# EAGLE board AU_MacroPad with Encoder - 8 Panel (EAGLE 9.6.2), part 3 of 5
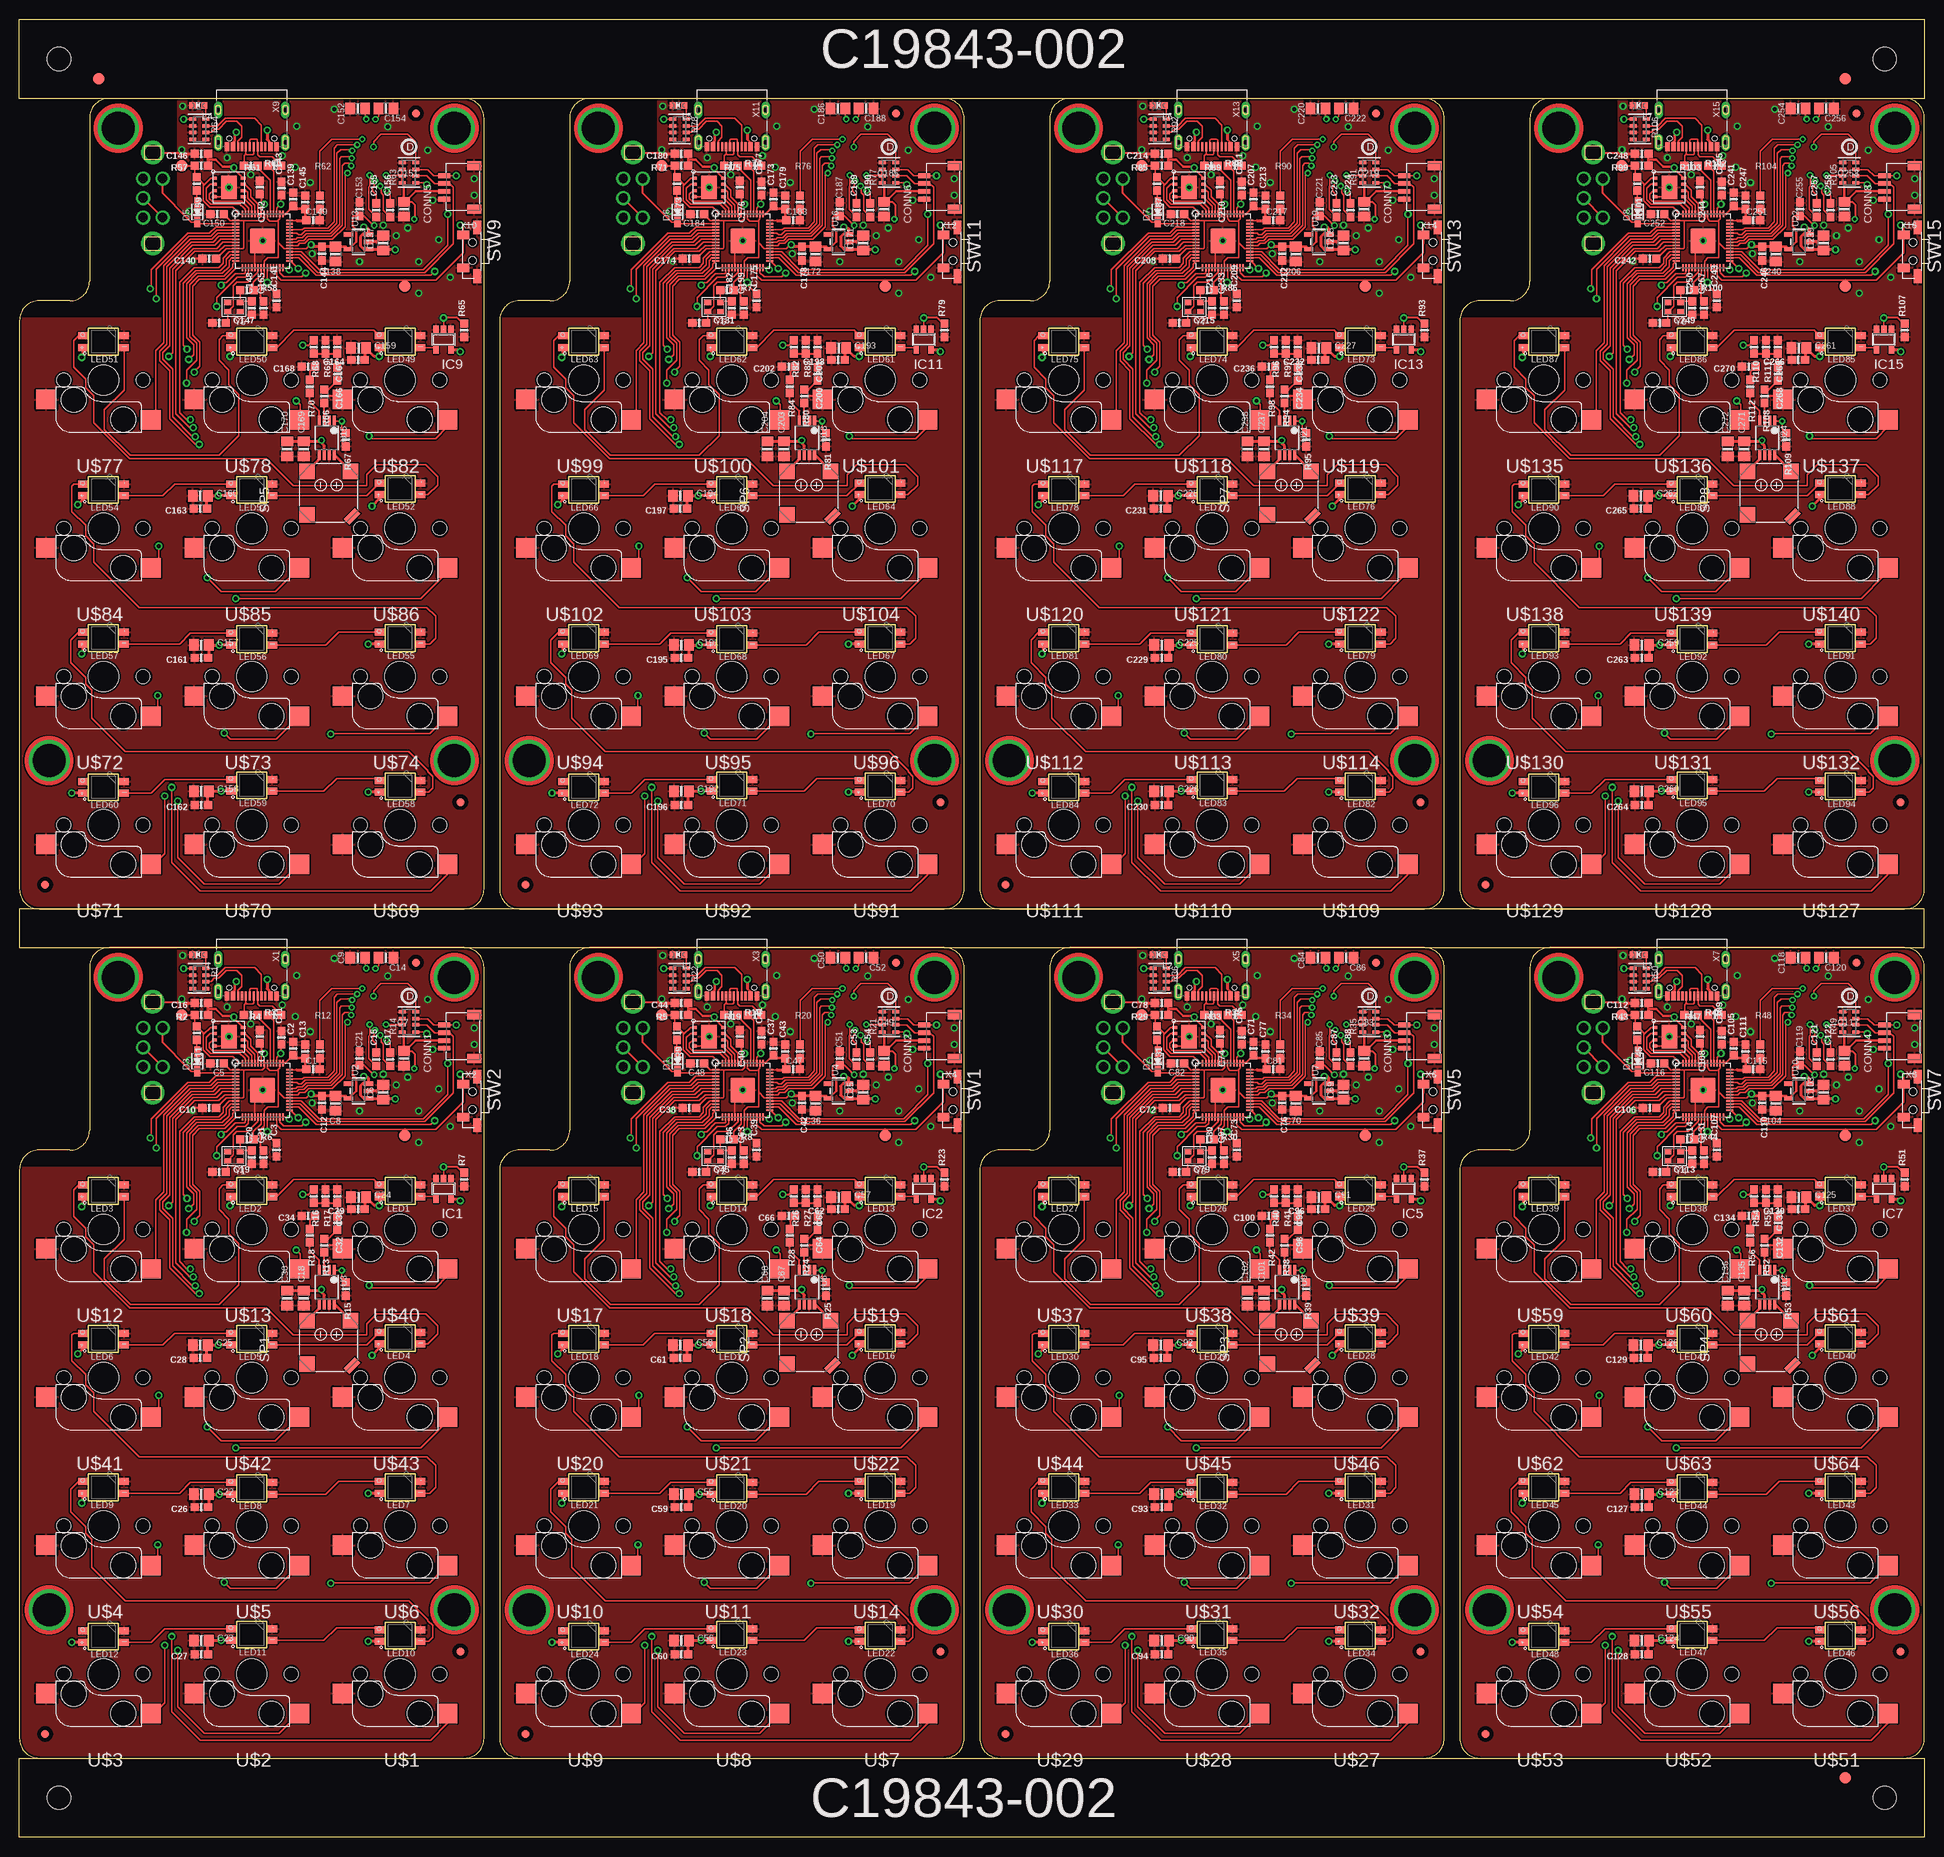
[diagram p0: board, top side]
## Tracks (layer width: path | path; a pad name or v marks a point on that pad's centre or on a via) (continued)
5.0V7  (via drill 0.48, 0.5) (continued)
  Top 0.305: X15.B4A9 212.51,217.83 212.71,218.02 212.71,218.92 | X15.A4B9 217.31,217.78 216.9,218.2
  Top 0.406: 212.71,218.92 v212.91,219.12 | v216.9,219.38 216.9,218.2 | LED87.1-VDD 193.21,190.31 v193.07,190.17 | LED86.1-VDD 212.26,190.44 v212.12,190.29 | LED85.1-VDD 231.31,190.31 v231.3,190.29 230.66,190.29 C261.2 229.42,191.21 C266.1 | LED88.1-VDD 231.31,172.03 v230.37,171.08 | LED89.1-VDD v210.61,172.4 | v210.61,172.4 v210.6,172.39 | LED90.1-VDD 193.21,171.9 v192.56,171.24 | LED93.1-VDD 193.21,152.21 v193.07,152.07 | LED92.1-VDD 210.74,153.22 v210.72,153.21 C259.2 209.39,151.66 C263.1 | LED91.1-VDD 229.91,153.35 v229.9,153.34 | LED94.1-VDD 229.91,134.3 v229.9,134.29 | LED95.1-VDD 212.25,134.41 v210.98,134.41 C260.2 209.29,134.31 C264.1 | LED96.1-VDD 191.81,134.17 v191.8,134.16 | v241.71,190.93 241.49,191.15 IC15.5 | v233.33,204.01 231.9,204.01 C239.1 231.64,204.08 U22.1 229.33,204.08 228.88,204.52 228.88,205.66 229.2,205.98 U22.3 229.93,206.65 229.69,206.89 v229.31,206.89 | v210.61,172.4 209.27,172.4 C262.2 209.16,172.29 C265.1 | U24.6 224.23,178.82 223.88,179.17 v223.88,179.51 223.73,179.36 C271.2 | C271.2 | C271.2 C272.2
  Bottom 0.406: v212.91,219.12 213.17,219.38 215.04,219.38 | 215.04,219.38 v216.9,219.38 | v233.33,204.01 233.96,204.01 233.96,194.48 | v229.31,206.89 225.97,206.89 215.04,217.81 215.04,219.38
  pour Bottom: 185.07,119.3 244.76,119.3 244.76,194.87 185.07,194.87
!RESET  (via drill 0.5)
  Top 0.203: R14.1 52.1,103.47 v52.32,103.25 | v56.64,98.04 57.01,97.67 SW2.2 57.01,94.48 53.47,90.93 49.53,90.93 33.66,90.93 33.04,91.55 IC3.26
  Top 0.406: TP5.P$1 49.53,90.93
  Bottom 0.203: v52.32,103.25 52.32,100.46 54.99,97.79 56.39,97.79 v56.64,98.04
!RESET1  (via drill 0.5)
  Top 0.203: R21.1 113.79,103.47 v114.01,103.25 | v118.33,98.04 118.7,97.67 SW1.2 118.7,94.48 115.16,90.93 111.22,90.93 95.34,90.93 94.73,91.55 IC4.26
  Top 0.406: TP10.P$1 111.22,90.93
  Bottom 0.203: v114.01,103.25 114.01,100.46 116.68,97.79 118.08,97.79 v118.33,98.04
!RESET2  (via drill 0.5)
  Top 0.203: R35.1 175.48,103.47 v175.7,103.25 | v180.02,98.04 180.39,97.67 SW5.2 180.39,94.48 176.85,90.93 172.91,90.93 157.04,90.93 156.42,91.55 IC6.26
  Top 0.406: TP16.P$1 172.91,90.93
  Bottom 0.203: v175.7,103.25 175.7,100.46 178.37,97.79 179.77,97.79 v180.02,98.04
!RESET3  (via drill 0.5)
  Top 0.203: R49.1 237.17,103.47 v237.39,103.25 | v241.71,98.04 242.08,97.67 SW7.2 242.08,94.48 238.54,90.93 234.6,90.93 218.72,90.93 218.11,91.55 IC8.26
  Top 0.406: TP22.P$1 234.6,90.93
  Bottom 0.203: v237.39,103.25 237.39,100.46 240.06,97.79 241.46,97.79 v241.71,98.04
!RESET4  (via drill 0.5)
  Top 0.203: R63.1 52.1,212.62 v52.32,212.39 | v56.64,207.19 57.01,206.81 SW9.2 57.01,203.62 53.47,200.07 49.53,200.07 33.66,200.07 33.04,200.69 IC10.26
  Top 0.406: TP28.P$1 49.53,200.07
  Bottom 0.203: v52.32,212.39 52.32,209.6 54.99,206.93 56.39,206.93 v56.64,207.19
!RESET5  (via drill 0.5)
  Top 0.203: R77.1 113.79,212.62 v114.01,212.39 | v118.33,207.19 118.7,206.81 SW11.2 118.7,203.62 115.16,200.07 111.22,200.07 95.34,200.07 94.73,200.69 IC12.26
  Top 0.406: TP34.P$1 111.22,200.07
  Bottom 0.203: v114.01,212.39 114.01,209.6 116.68,206.93 118.08,206.93 v118.33,207.19
!RESET6  (via drill 0.5)
  Top 0.203: R91.1 175.48,212.62 v175.7,212.39 | v180.02,207.19 180.39,206.81 SW13.2 180.39,203.62 176.85,200.07 172.91,200.07 157.04,200.07 156.42,200.69 IC14.26
  Top 0.406: TP40.P$1 172.91,200.07
  Bottom 0.203: v175.7,212.39 175.7,209.6 178.37,206.93 179.77,206.93 v180.02,207.19
!RESET7  (via drill 0.5)
  Top 0.203: R105.1 237.17,212.62 v237.39,212.39 | v241.71,207.19 242.08,206.81 SW15.2 242.08,203.62 238.54,200.07 234.6,200.07 218.72,200.07 218.11,200.69 IC16.26
  Top 0.406: TP46.P$1 234.6,200.07
  Bottom 0.203: v237.39,212.39 237.39,209.6 240.06,206.93 241.46,206.93 v241.71,207.19
CC1
  Top 0.203: R1.7 25.42,110.76 26.42,111.76 30.23,111.76 31.09,110.89 X1.A5
CC2
  Top 0.203: R1.6 24.62,109.96 25.04,110.38 25.58,110.38 26.57,111.38 27.94,111.38 28.57,110.74 28.57,109.35 28.07,108.84 28.07,108.12 X1.B5
CC3
  Top 0.203: R22.6 86.31,109.96 86.73,110.38 87.27,110.38 88.26,111.38 89.63,111.38 90.26,110.74 90.26,109.35 89.76,108.84 89.76,108.12 X3.B5
CC4
  Top 0.203: R22.7 87.11,110.76 88.11,111.76 91.92,111.76 92.78,110.89 X3.A5
CC5
  Top 0.203: R36.6 148,109.96 148.42,110.38 148.96,110.38 149.95,111.38 151.32,111.38 151.96,110.74 151.96,109.35 151.45,108.84 151.45,108.12 X5.B5
CC6
  Top 0.203: R36.7 148.8,110.76 149.8,111.76 153.61,111.76 154.48,110.89 X5.A5
CC7
  Top 0.203: R50.6 209.69,109.96 210.11,110.38 210.65,110.38 211.64,111.38 213.01,111.38 213.64,110.74 213.64,109.35 213.14,108.84 213.14,108.12 X7.B5
CC8
  Top 0.203: R50.7 210.49,110.76 211.49,111.76 215.29,111.76 216.16,110.89 X7.A5
CC9
  Top 0.203: R64.6 24.62,219.1 25.04,219.52 25.58,219.52 26.57,220.52 27.94,220.52 28.57,219.88 28.57,218.49 28.07,217.98 28.07,217.26 X9.B5
CC10
  Top 0.203: R64.7 25.42,219.9 26.42,220.9 30.23,220.9 31.09,220.03 X9.A5
CC11
  Top 0.203: R78.6 86.31,219.1 86.73,219.52 87.27,219.52 88.26,220.52 89.63,220.52 90.26,219.88 90.26,218.49 89.76,217.98 89.76,217.26 X11.B5
CC12
  Top 0.203: R78.7 87.11,219.9 88.11,220.9 91.92,220.9 92.78,220.03 X11.A5
CC13
  Top 0.203: R92.6 148,219.1 148.42,219.52 148.96,219.52 149.95,220.52 151.32,220.52 151.96,219.88 151.96,218.49 151.45,217.98 151.45,217.26 X13.B5
CC14
  Top 0.203: R92.7 148.8,219.9 149.8,220.9 153.61,220.9 154.48,220.03 X13.A5
CC15
  Top 0.203: R106.6 209.69,219.1 210.11,219.52 210.65,219.52 211.64,220.52 213.01,220.52 213.64,219.88 213.64,218.49 213.14,217.98 213.14,217.26 X15.B5
CC16
  Top 0.203: R106.7 210.49,219.9 211.49,220.9 215.29,220.9 216.16,220.03 X15.A5
D+
  Top 0.203: R3.2 30.57,105.45 32.24,103.77 IC3.47
D+1
  Top 0.203: R10.2 92.26,105.45 93.93,103.77 IC4.47
D+2
  Top 0.203: R32.2 153.95,105.45 155.62,103.77 IC6.47
D+3
  Top 0.203: R46.2 215.64,105.45 217.31,103.77 IC8.47
D+4
  Top 0.203: R60.2 30.57,214.59 32.24,212.91 IC10.47
D+5
  Top 0.203: R74.2 92.26,214.59 93.93,212.91 IC12.47
D+6
  Top 0.203: R88.2 153.95,214.59 155.62,212.91 IC14.47
D+7
  Top 0.203: R102.2 215.64,214.59 217.31,212.91 IC16.47
D-
  Top 0.203: R4.2 32.64,104.94 IC3.46
D-1
  Top 0.203: R19.2 94.33,104.94 IC4.46
D-2
  Top 0.203: R33.2 156.02,104.94 IC6.46
D-3
  Top 0.203: R47.2 217.71,104.94 IC8.46
D-4
  Top 0.203: R61.2 32.64,214.08 IC10.46
D-5
  Top 0.203: R75.2 94.33,214.08 IC12.46
D-6
  Top 0.203: R89.2 156.02,214.08 IC14.46
D-7
  Top 0.203: R103.2 217.71,214.08 IC16.46
GND  (via drill 0.39, 0.5)
  Top 0.203: IC3.19 30.24,96.01 | U1.4 26.8,101.67 26.8,102.87 v26.92,102.87
  Top 0.254: 30.24,96.01 IC3.P$1 | C10.2 22.6,93.73 v22.24,93.36 | R12.1 38.61,98.72 C1.2 | U$40.2 41.12,76.02 39.66,76.02 | SW3.D SW3.C | SW3.P$1 20.91,107.35 21.08,107.19
  Top 0.406: C6.2 45.94,95.88 U2.2 | 20.76,107.51 21.08,107.19 C16.2
  Bottom 0.305: SW3.C 15.89,101.83 15.95,101.88 21.06,101.88 21.06,98.8 18.23,95.97 SW3.P$2
  other vias: 52.48,107.65 35.63,110.73 40.43,112.95 47.33,110.65 58.42,104.01 58.42,101.85 53.09,101.22 37.34,103.5 37.59,94.36 43.69,93.34 48.39,96.65 46.74,98.04 49.91,97.66 31.24,96.01 26.67,106.68 33.78,106.93 20.95,113.28 29.72,104.52 20.83,107.7 21.84,99.82 51.31,93.34 53.85,96.14 55.37,91.31 51.31,89.28 35.44,105.45
  pour Top: 20.3,86.03 20.26,86 20.22,85.98 0,85.98 0,10.16 59.69,10.16 59.69,114.3 20.32,114.3 20.32,86.08
  pour Bottom: 20.32,86.23 59.82,86.23 59.82,114.17 20.32,114.17
GND1  (via drill 0.39, 0.5)
  Top 0.203: IC4.19 91.93,96.01 | U5.4 88.49,101.67 88.49,102.87 v88.61,102.87
  Top 0.254: 91.93,96.01 IC4.P$1 | C38.2 84.29,93.73 v83.93,93.36 | R20.1 100.3,98.72 C47.2 | U$19.2 102.81,76.02 101.35,76.02 | SW4.D SW4.C | SW4.P$1 82.6,107.35 82.77,107.19
  Top 0.406: C35.2 107.63,95.88 U4.2 | 82.44,107.51 82.77,107.19 C44.2
  Bottom 0.305: SW4.C 77.58,101.83 77.64,101.88 82.75,101.88 82.75,98.8 79.92,95.97 SW4.P$2
  other vias: 114.17,107.65 97.32,110.73 102.12,112.95 109.02,110.65 120.11,104.01 120.11,101.85 114.77,101.22 99.03,103.5 99.28,94.36 105.38,93.34 110.08,96.65 108.42,98.04 111.6,97.66 92.93,96.01 88.36,106.68 95.47,106.93 82.64,113.28 91.41,104.52 82.52,107.7 83.53,99.82 113,93.34 115.54,96.14 117.06,91.31 113,89.28 97.13,105.45
  pour Top: 81.99,86.03 81.95,86 81.91,85.98 61.69,85.98 61.69,10.16 121.38,10.16 121.38,114.3 82.01,114.3 82.01,86.08
  pour Bottom: 82.01,86.23 121.51,86.23 121.51,114.17 82.01,114.17
GND2  (via drill 0.39, 0.5)
  Top 0.203: IC6.19 153.62,96.01 | U8.4 150.18,101.67 150.18,102.87 v150.3,102.87
  Top 0.254: 153.62,96.01 IC6.P$1 | C72.2 145.98,93.73 v145.62,93.36 | R34.1 161.99,98.72 C81.2 | U$39.2 164.5,76.02 163.04,76.02 | SW6.D SW6.C | SW6.P$1 144.3,107.35 144.46,107.19
  Top 0.406: C69.2 169.32,95.88 U7.2 | 144.14,107.51 144.46,107.19 C78.2
  Bottom 0.305: SW6.C 139.27,101.83 139.33,101.88 144.44,101.88 144.44,98.8 141.61,95.97 SW6.P$2
  other vias: 175.86,107.65 159.01,110.73 163.81,112.95 170.71,110.65 181.8,104.01 181.8,101.85 176.47,101.22 160.72,103.5 160.97,94.36 167.07,93.34 171.77,96.65 170.12,98.04 173.29,97.66 154.62,96.01 150.05,106.68 157.16,106.93 144.34,113.28 153.1,104.52 144.21,107.7 145.22,99.82 174.69,93.34 177.23,96.14 178.75,91.31 174.69,89.28 158.82,105.45
  pour Top: 143.68,86.03 143.65,86 143.6,85.98 123.38,85.98 123.38,10.16 183.07,10.16 183.07,114.3 143.7,114.3 143.7,86.08
  pour Bottom: 143.7,86.23 183.2,86.23 183.2,114.17 143.7,114.17
GND3  (via drill 0.39, 0.5)
  Top 0.203: IC8.19 215.31,96.01 | U11.4 211.87,101.67 211.87,102.87 v211.99,102.87
  Top 0.254: 215.31,96.01 IC8.P$1 | C106.2 207.67,93.73 v207.31,93.36 | R48.1 223.68,98.72 C115.2 | U$61.2 226.19,76.02 224.73,76.02 | SW8.D SW8.C | SW8.P$1 205.99,107.35 206.15,107.19
  Top 0.406: C103.2 231.01,95.88 U10.2 | 205.82,107.51 206.15,107.19 C112.2
  Bottom 0.305: SW8.C 200.96,101.83 201.02,101.88 206.13,101.88 206.13,98.8 203.3,95.97 SW8.P$2
  other vias: 237.55,107.65 220.7,110.73 225.5,112.95 232.4,110.65 243.49,104.01 243.49,101.85 238.16,101.22 222.41,103.5 222.66,94.36 228.76,93.34 233.46,96.65 231.81,98.04 234.98,97.66 216.31,96.01 211.74,106.68 218.85,106.93 206.02,113.28 214.79,104.52 205.9,107.7 206.91,99.82 236.38,93.34 238.92,96.14 240.44,91.31 236.38,89.28 220.51,105.45
  pour Top: 205.37,86.03 205.33,86 205.29,85.98 185.07,85.98 185.07,10.16 244.76,10.16 244.76,114.3 205.39,114.3 205.39,86.08
  pour Bottom: 205.39,86.23 244.89,86.23 244.89,114.17 205.39,114.17
GND4  (via drill 0.39, 0.5)
  Top 0.203: IC10.19 30.24,205.15 | U14.4 26.8,210.81 26.8,212.01 v26.92,212.01
  Top 0.254: 30.24,205.15 IC10.P$1 | C140.2 22.6,202.87 v22.24,202.5 | R62.1 38.61,207.86 C149.2 | U$82.2 41.12,185.16 39.66,185.16 | SW10.D SW10.C | SW10.P$1 20.91,216.5 21.08,216.33
  Top 0.406: C137.2 45.94,205.03 U13.2 | 20.76,216.66 21.08,216.33 C146.2
  Bottom 0.305: SW10.C 15.89,210.97 15.95,211.02 21.06,211.02 21.06,207.94 18.23,205.11 SW10.P$2
  other vias: 52.48,216.79 35.63,219.87 40.43,222.09 47.33,219.79 58.42,213.15 58.42,211 53.09,210.36 37.34,212.65 37.59,203.5 43.69,202.49 48.39,205.79 46.74,207.19 49.91,206.8 31.24,205.15 26.67,215.82 33.78,216.08 20.95,222.43 29.72,213.66 20.83,216.84 21.84,208.96 51.31,202.49 53.85,205.28 55.37,200.45 51.31,198.42 35.44,214.59
  pour Top: 20.3,195.18 20.26,195.14 20.22,195.12 0,195.12 0,119.3 59.69,119.3 59.69,223.44 20.32,223.44 20.32,195.22
  pour Bottom: 20.32,195.37 59.82,195.37 59.82,223.31 20.32,223.31
GND5  (via drill 0.39, 0.5)
  Top 0.203: IC12.19 91.93,205.15 | U17.4 88.49,210.81 88.49,212.01 v88.61,212.01
  Top 0.254: 91.93,205.15 IC12.P$1 | C174.2 84.29,202.87 v83.93,202.5 | R76.1 100.3,207.86 C183.2 | U$101.2 102.81,185.16 101.35,185.16 | SW12.D SW12.C | SW12.P$1 82.6,216.5 82.77,216.33
  Top 0.406: C171.2 107.63,205.03 U16.2 | 82.44,216.66 82.77,216.33 C180.2
  Bottom 0.305: SW12.C 77.58,210.97 77.64,211.02 82.75,211.02 82.75,207.94 79.92,205.11 SW12.P$2
  other vias: 114.17,216.79 97.32,219.87 102.12,222.09 109.02,219.79 120.11,213.15 120.11,211 114.77,210.36 99.03,212.65 99.28,203.5 105.38,202.49 110.08,205.79 108.42,207.19 111.6,206.8 92.93,205.15 88.36,215.82 95.47,216.08 82.64,222.43 91.41,213.66 82.52,216.84 83.53,208.96 113,202.49 115.54,205.28 117.06,200.45 113,198.42 97.13,214.59
  pour Top: 81.99,195.18 81.95,195.14 81.91,195.12 61.69,195.12 61.69,119.3 121.38,119.3 121.38,223.44 82.01,223.44 82.01,195.22
  pour Bottom: 82.01,195.37 121.51,195.37 121.51,223.31 82.01,223.31
GND6  (via drill 0.39, 0.5)
  Top 0.203: IC14.19 153.62,205.15 | U20.4 150.18,210.81 150.18,212.01 v150.3,212.01
  Top 0.254: 153.62,205.15 IC14.P$1 | C208.2 145.98,202.87 v145.62,202.5 | R90.1 161.99,207.86 C217.2 | U$119.2 164.5,185.16 163.04,185.16 | SW14.D SW14.C | SW14.P$1 144.3,216.5 144.46,216.33
  Top 0.406: C205.2 169.32,205.03 U19.2 | 144.14,216.66 144.46,216.33 C214.2
  Bottom 0.305: SW14.C 139.27,210.97 139.33,211.02 144.44,211.02 144.44,207.94 141.61,205.11 SW14.P$2
  other vias: 175.86,216.79 159.01,219.87 163.81,222.09 170.71,219.79 181.8,213.15 181.8,211 176.47,210.36 160.72,212.65 160.97,203.5 167.07,202.49 171.77,205.79 170.12,207.19 173.29,206.8 154.62,205.15 150.05,215.82 157.16,216.08 144.34,222.43 153.1,213.66 144.21,216.84 145.22,208.96 174.69,202.49 177.23,205.28 178.75,200.45 174.69,198.42 158.82,214.59
  pour Top: 143.68,195.18 143.65,195.14 143.6,195.12 123.38,195.12 123.38,119.3 183.07,119.3 183.07,223.44 143.7,223.44 143.7,195.22
  pour Bottom: 143.7,195.37 183.2,195.37 183.2,223.31 143.7,223.31
GND7  (via drill 0.39, 0.5)
  Top 0.203: IC16.19 215.31,205.15 | U23.4 211.87,210.81 211.87,212.01 v211.99,212.01
  Top 0.254: 215.31,205.15 IC16.P$1 | C242.2 207.67,202.87 v207.31,202.5 | R104.1 223.68,207.86 C251.2 | U$137.2 226.19,185.16 224.73,185.16 | SW16.D SW16.C | SW16.P$1 205.99,216.5 206.15,216.33
  Top 0.406: C239.2 231.01,205.03 U22.2 | 205.82,216.66 206.15,216.33 C248.2
  Bottom 0.305: SW16.C 200.96,210.97 201.02,211.02 206.13,211.02 206.13,207.94 203.3,205.11 SW16.P$2
  other vias: 237.55,216.79 220.7,219.87 225.5,222.09 232.4,219.79 243.49,213.15 243.49,211 238.16,210.36 222.41,212.65 222.66,203.5 228.76,202.49 233.46,205.79 231.81,207.19 234.98,206.8 216.31,205.15 211.74,215.82 218.85,216.08 206.02,222.43 214.79,213.66 205.9,216.84 206.91,208.96 236.38,202.49 238.92,205.28 240.44,200.45 236.38,198.42 220.51,214.59
  pour Top: 205.37,195.18 205.33,195.14 205.29,195.12 185.07,195.12 185.07,119.3 244.76,119.3 244.76,223.44 205.39,223.44 205.39,195.22
  pour Bottom: 205.39,195.37 244.89,195.37 244.89,223.31 205.39,223.31
GP1  (via drill 0.5)
  Top 0.203: IC3.3 27.77,97.79 25.2,97.79 24.4,96.99 21.62,96.99 16.92,92.28 16.92,89.98 v16.79,89.86 | v44.92,70.91 45.21,70.61 53.47,70.61 54.98,72.13 U$40.1
  Bottom 0.203: v16.79,89.86 17.06,90.13 21.09,86.11 32.89,86.11 34.54,84.45 34.54,80.31 39.76,75.09 39.76,72.35 41.2,70.91 v44.92,70.91
GP2  (via drill 0.5)
  Top 0.203: IC3.4 27.77,97.39 25.34,97.39 24.55,96.61 21.78,96.61 17.55,92.38 v17.55,88.59 | v35.56,75.44 36.07,74.93 36.07,72.39 35.94,72.52 U$13.1
  Bottom 0.203: v17.55,88.59 24.89,81.25 24.89,80.78 26.92,78.75 26.92,77.6 29.08,75.44 v35.56,75.44
GP3
  Top 0.203: IC3.5 25.49,97.01 24.71,96.23 21.94,96.23 18.54,92.83 18.54,82.93 17.53,81.91 17.53,73.67 U$12.1
GP4  (via drill 0.5)
  Top 0.203: IC3.6 25.63,96.61 24.87,95.85 22.1,95.85 18.92,92.67 18.92,82.71 18.03,81.82 18.03,80.61 19.3,79.34 19.3,73.13 22.58,69.85 v23.09,69.85 | v27.81,50.04 51.56,50.04 54.48,52.96 54.48,53.72 54.74,53.97 U$43.1
  Bottom 0.203: v23.09,69.85 23.09,54.89 27.81,50.17 v27.81,50.04
GP5  (via drill 0.5)
  Top 0.203: IC3.7 25.89,96.21 25.11,95.43 22.22,95.43 19.3,92.52 19.3,82.55 18.41,81.66 18.41,80.77 19.68,79.5 19.68,73.41 22.23,70.87 v22.61,70.87 | v24.13,52.7 25.91,50.93 32.89,50.93 U$42.1
  Bottom 0.203: v22.61,70.87 22.36,70.62 22.36,54.47 v24.13,52.7
GP6  (via drill 0.5)
  Top 0.203: IC3.8 26.14,95.81 25.36,95.03 22.36,95.03 19.68,92.36 19.68,81.66 v19.18,81.15 | v17.91,56.77 17.91,55 U$41.1
  Bottom 0.203: v17.91,56.77 19.3,58.17 19.3,81.03 v19.18,81.15
GP7  (via drill 0.5)
  Top 0.203: IC3.9 26.39,95.41 25.63,94.65 22.51,94.65 20.07,92.2 20.07,73.8 21.86,72.01 v22.35,72.01 | v40.01,32.64 40.02,32.66 52.72,32.66 U$6.1
  Bottom 0.203: v22.35,72.01 21.84,71.5 21.84,38.35 27.56,32.64 v40.01,32.64
GP8  (via drill 0.5)
  Top 0.203: IC3.11 26.98,94.61 26.16,93.79 26.16,93.12 25.62,92.58 22.48,92.58 20.57,90.67 20.57,73.96 21.51,73.03 v21.97,73.03 | v26.29,32.77 27.05,32 33.01,32 U$5.1
  Bottom 0.203: v26.29,32.77 21.46,37.59 21.46,72.52 v21.97,73.03
GP9  (via drill 0.5)
  Top 0.203: IC3.12 27.12,94.21 26.54,93.63 26.54,92.96 25.78,92.2 22.64,92.2 21.02,90.58 21.02,82.61 v21.53,82.1 | v17.78,37.59 17.78,35.82 U$4.1
  Bottom 0.203: v21.53,82.1 21.53,81.72 19.75,79.95 19.75,39.56 v17.78,37.59
GP10  (via drill 0.5)
  Top 0.203: U$1.1 54.98,14.6 52.83,12.45 23.24,12.45 19.56,16.13 v19.56,25.78 | v21.75,80.77 22.38,81.41 22.38,82.68 21.49,83.57 21.49,90.52 22.8,91.82 26.04,91.82 26.92,92.71 26.92,93.48 27.26,93.81 IC3.13
  Bottom 0.203: v19.56,25.78 20.19,26.42 20.19,79.28 21.69,80.77 v21.75,80.77
GP11  (via drill 0.5)
  Top 0.203: IC3.14 27.41,93.03 27.41,92.63 26.22,91.44 22.96,91.44 21.87,90.36 21.87,83.72 22.76,82.83 22.76,80.67 21.46,79.38 v21.46,77.72 | v20.32,24 20.32,16.76 23.75,13.34 33.4,13.34 U$2.1
  Bottom 0.203: v21.46,77.72 20.95,77.22 20.95,24.64 v20.32,24
GP12  (via drill 0.5)
  Top 0.203: IC3.15 27.88,92.56 26.38,91.06 23.11,91.06 22.25,90.2 22.25,83.88 23.14,82.99 23.14,79.91 22.42,79.19 v22.48,79.12 | v18.67,24.64 18.67,17.27 16.76,15.37 16.76,15.75 U$3.1
  Bottom 0.203: v22.48,79.12 21.59,79.12 20.57,78.1 20.57,25.4 19.81,24.64 v18.67,24.64
GP13  (via drill 0.5)
  Top 0.203: IC4.12 88.81,94.21 88.23,93.63 88.23,92.96 87.47,92.2 84.33,92.2 82.71,90.58 82.71,82.61 v83.22,82.1 | v79.47,37.59 79.47,35.82 U$10.1
  Bottom 0.203: v83.22,82.1 83.22,81.72 81.44,79.95 81.44,39.56 v79.47,37.59
GP14  (via drill 0.5)
  Top 0.203: IC4.11 88.67,94.61 87.85,93.79 87.85,93.12 87.31,92.58 84.17,92.58 82.26,90.67 82.26,73.96 83.2,73.03 v83.66,73.03 | v87.98,32.77 88.74,32 94.7,32 U$11.1
  Bottom 0.203: v87.98,32.77 83.15,37.59 83.15,72.52 v83.66,73.03
GP15  (via drill 0.5)
  Top 0.203: IC4.3 89.46,97.79 86.89,97.79 86.09,96.99 83.31,96.99 78.61,92.28 78.61,89.98 v78.48,89.86 | v106.61,70.91 106.9,70.61 115.16,70.61 116.67,72.13 U$19.1
  Bottom 0.203: v78.48,89.86 78.75,90.13 82.78,86.11 94.58,86.11 96.23,84.45 96.23,80.31 101.45,75.09 101.45,72.35 102.89,70.91 v106.61,70.91
GP16  (via drill 0.5)
  Top 0.203: IC4.4 89.46,97.39 87.03,97.39 86.24,96.61 83.47,96.61 79.24,92.38 v79.24,88.59 | v97.25,75.44 97.76,74.93 97.76,72.39 97.62,72.52 U$18.1
  Bottom 0.203: v79.24,88.59 86.58,81.25 86.58,80.78 88.61,78.75 88.61,77.6 90.77,75.44 v97.25,75.44
GP17
  Top 0.203: IC4.5 87.18,97.01 86.4,96.23 83.63,96.23 80.23,92.83 80.23,82.93 79.22,81.91 79.22,73.67 U$17.1
GP18  (via drill 0.5)
  Top 0.203: IC4.6 87.32,96.61 86.56,95.85 83.79,95.85 80.61,92.67 80.61,82.71 79.72,81.82 79.72,80.61 80.99,79.34 80.99,73.13 84.27,69.85 v84.78,69.85 | v89.5,50.04 113.25,50.04 116.17,52.96 116.17,53.72 116.43,53.97 U$22.1
  Bottom 0.203: v84.78,69.85 84.78,54.89 89.5,50.17 v89.5,50.04
GP19  (via drill 0.5)
  Top 0.203: IC4.7 87.58,96.21 86.8,95.43 83.91,95.43 80.99,92.52 80.99,82.55 80.1,81.66 80.1,80.77 81.37,79.5 81.37,73.41 83.91,70.87 v84.3,70.87 | v85.82,52.7 87.6,50.93 94.58,50.93 U$21.1
  Bottom 0.203: v84.3,70.87 84.05,70.62 84.05,54.47 v85.82,52.7
GP20  (via drill 0.5)
  Top 0.203: IC4.8 87.83,95.81 87.05,95.03 84.05,95.03 81.37,92.36 81.37,81.66 v80.87,81.15 | v79.6,56.77 79.6,55 U$20.1
  Bottom 0.203: v79.6,56.77 80.99,58.17 80.99,81.03 v80.87,81.15
GP21  (via drill 0.5)
  Top 0.203: IC4.9 88.08,95.41 87.32,94.65 84.2,94.65 81.75,92.2 81.75,73.8 83.55,72.01 v84.04,72.01 | v101.69,32.64 101.71,32.66 114.41,32.66 U$14.1
  Bottom 0.203: v84.04,72.01 83.53,71.5 83.53,38.35 89.25,32.64 v101.69,32.64
GP22  (via drill 0.5)
  Top 0.203: U$7.1 116.67,14.6 114.52,12.45 84.93,12.45 81.25,16.13 v81.25,25.78 | v83.44,80.77 84.07,81.41 84.07,82.68 83.18,83.57 83.18,90.52 84.49,91.82 87.72,91.82 88.61,92.71 88.61,93.48 88.95,93.81 IC4.13
  Bottom 0.203: v81.25,25.78 81.88,26.42 81.88,79.28 83.38,80.77 v83.44,80.77
GP23  (via drill 0.5)
  Top 0.203: IC4.14 89.1,93.03 89.1,92.63 87.91,91.44 84.64,91.44 83.56,90.36 83.56,83.72 84.45,82.83 84.45,80.67 83.15,79.38 v83.15,77.72 | v82.01,24 82.01,16.76 85.44,13.34 95.08,13.34 U$8.1
  Bottom 0.203: v83.15,77.72 82.64,77.22 82.64,24.64 v82.01,24
GP24  (via drill 0.5)
  Top 0.203: IC4.15 89.57,92.56 88.07,91.06 84.8,91.06 83.94,90.2 83.94,83.88 84.83,82.99 84.83,79.91 84.1,79.19 v84.17,79.12 | v80.36,24.64 80.36,17.27 78.45,15.37 78.45,15.75 U$9.1
  Bottom 0.203: v84.17,79.12 83.28,79.12 82.26,78.1 82.26,25.4 81.5,24.64 v80.36,24.64
GP25  (via drill 0.5)
  Top 0.203: IC6.12 150.5,94.21 149.92,93.63 149.92,92.96 149.16,92.2 146.02,92.2 144.4,90.58 144.4,82.61 v144.91,82.1 | v141.16,37.59 141.16,35.82 U$30.1
  Bottom 0.203: v144.91,82.1 144.91,81.72 143.13,79.95 143.13,39.56 v141.16,37.59
GP26  (via drill 0.5)
  Top 0.203: IC6.11 150.36,94.61 149.54,93.79 149.54,93.12 149,92.58 145.86,92.58 143.95,90.67 143.95,73.96 144.89,73.03 v145.35,73.03 | v149.67,32.77 150.43,32 156.39,32 U$31.1
  Bottom 0.203: v149.67,32.77 144.84,37.59 144.84,72.52 v145.35,73.03
GP27  (via drill 0.5)
  Top 0.203: IC6.3 151.15,97.79 148.58,97.79 147.78,96.99 145,96.99 140.3,92.28 140.3,89.98 v140.17,89.86 | v168.3,70.91 168.59,70.61 176.85,70.61 178.37,72.13 U$39.1
  Bottom 0.203: v140.17,89.86 140.44,90.13 144.47,86.11 156.27,86.11 157.92,84.45 157.92,80.31 163.14,75.09 163.14,72.35 164.58,70.91 v168.3,70.91
GP28  (via drill 0.5)
  Top 0.203: IC6.4 151.15,97.39 148.72,97.39 147.94,96.61 145.16,96.61 140.94,92.38 v140.94,88.59 | v158.94,75.44 159.45,74.93 159.45,72.39 159.31,72.52 U$38.1
  Bottom 0.203: v140.94,88.59 148.27,81.25 148.27,80.78 150.3,78.75 150.3,77.6 152.46,75.44 v158.94,75.44
GP29
  Top 0.203: IC6.5 148.88,97.01 148.09,96.23 145.32,96.23 141.92,92.83 141.92,82.93 140.91,81.91 140.91,73.67 U$37.1
GP30  (via drill 0.5)
  Top 0.203: IC6.6 149.01,96.61 148.25,95.85 145.48,95.85 142.3,92.67 142.3,82.71 141.41,81.82 141.41,80.61 142.69,79.34 142.69,73.13 145.97,69.85 v146.47,69.85 | v151.19,50.04 174.94,50.04 177.86,52.96 177.86,53.72 178.12,53.97 U$46.1
  Bottom 0.203: v146.47,69.85 146.47,54.89 151.19,50.17 v151.19,50.04
GP31  (via drill 0.5)
  Top 0.203: IC6.7 149.27,96.21 148.49,95.43 145.6,95.43 142.69,92.52 142.69,82.55 141.8,81.66 141.8,80.77 143.06,79.5 143.06,73.41 145.61,70.87 v145.99,70.87 | v147.51,52.7 149.29,50.93 156.27,50.93 U$45.1
  Bottom 0.203: v145.99,70.87 145.74,70.62 145.74,54.47 v147.51,52.7
GP32  (via drill 0.5)
  Top 0.203: IC6.8 149.52,95.81 148.74,95.03 145.74,95.03 143.06,92.36 143.06,81.66 v142.56,81.15 | v141.29,56.77 141.29,55 U$44.1
  Bottom 0.203: v141.29,56.77 142.69,58.17 142.69,81.03 v142.56,81.15
GP33  (via drill 0.5)
  Top 0.203: IC6.9 149.78,95.41 149.01,94.65 145.89,94.65 143.45,92.2 143.45,73.8 145.24,72.01 v145.73,72.01 | v163.39,32.64 163.4,32.66 176.1,32.66 U$32.1
  Bottom 0.203: v145.73,72.01 145.22,71.5 145.22,38.35 150.94,32.64 v163.39,32.64
GP34  (via drill 0.5)
  Top 0.203: U$27.1 178.37,14.6 176.21,12.45 146.62,12.45 142.94,16.13 v142.94,25.78 | v145.13,80.77 145.76,81.41 145.76,82.68 144.87,83.57 144.87,90.52 146.18,91.82 149.42,91.82 150.3,92.71 150.3,93.48 150.64,93.81 IC6.13
  Bottom 0.203: v142.94,25.78 143.57,26.42 143.57,79.28 145.07,80.77 v145.13,80.77
GP35  (via drill 0.5)
  Top 0.203: IC6.14 150.79,93.03 150.79,92.63 149.6,91.44 146.34,91.44 145.25,90.36 145.25,83.72 146.14,82.83 146.14,80.67 144.84,79.38 v144.84,77.72 | v143.7,24 143.7,16.76 147.13,13.34 156.78,13.34 U$28.1
  Bottom 0.203: v144.84,77.72 144.34,77.22 144.34,24.64 v143.7,24
GP36  (via drill 0.5)
  Top 0.203: IC6.15 151.26,92.56 149.76,91.06 146.49,91.06 145.63,90.2 145.63,83.88 146.52,82.99 146.52,79.91 145.8,79.19 v145.86,79.12 | v142.05,24.64 142.05,17.27 140.14,15.37 140.14,15.75 U$29.1
  Bottom 0.203: v145.86,79.12 144.97,79.12 143.95,78.1 143.95,25.4 143.19,24.64 v142.05,24.64
GP37  (via drill 0.5)
  Top 0.203: IC8.12 212.19,94.21 211.61,93.63 211.61,92.96 210.85,92.2 207.71,92.2 206.09,90.58 206.09,82.61 v206.6,82.1 | v202.85,37.59 202.85,35.82 U$54.1
  Bottom 0.203: v206.6,82.1 206.6,81.72 204.82,79.95 204.82,39.56 v202.85,37.59
GP38  (via drill 0.5)
  Top 0.203: IC8.11 212.05,94.61 211.23,93.79 211.23,93.12 210.69,92.58 207.55,92.58 205.64,90.67 205.64,73.96 206.58,73.03 v207.04,73.03 | v211.36,32.77 212.12,32 218.08,32 U$55.1
  Bottom 0.203: v211.36,32.77 206.53,37.59 206.53,72.52 v207.04,73.03
GP39  (via drill 0.5)
  Top 0.203: IC8.3 212.84,97.79 210.27,97.79 209.47,96.99 206.69,96.99 201.99,92.28 201.99,89.98 v201.86,89.86 | v229.99,70.91 230.28,70.61 238.54,70.61 240.05,72.13 U$61.1